# Altium PCB 驰风队20200806.PcbDoc (part 3 of 3)
Units mil, origin at the board's own origin, x right, y up, seen from the top; angles counter-clockwise.
Board outline 3947.04 x 2372.23 mil, 2 copper layers (Top Layer, Bottom Layer); 111 components, 82 nets, 374 pads, 168 vias.
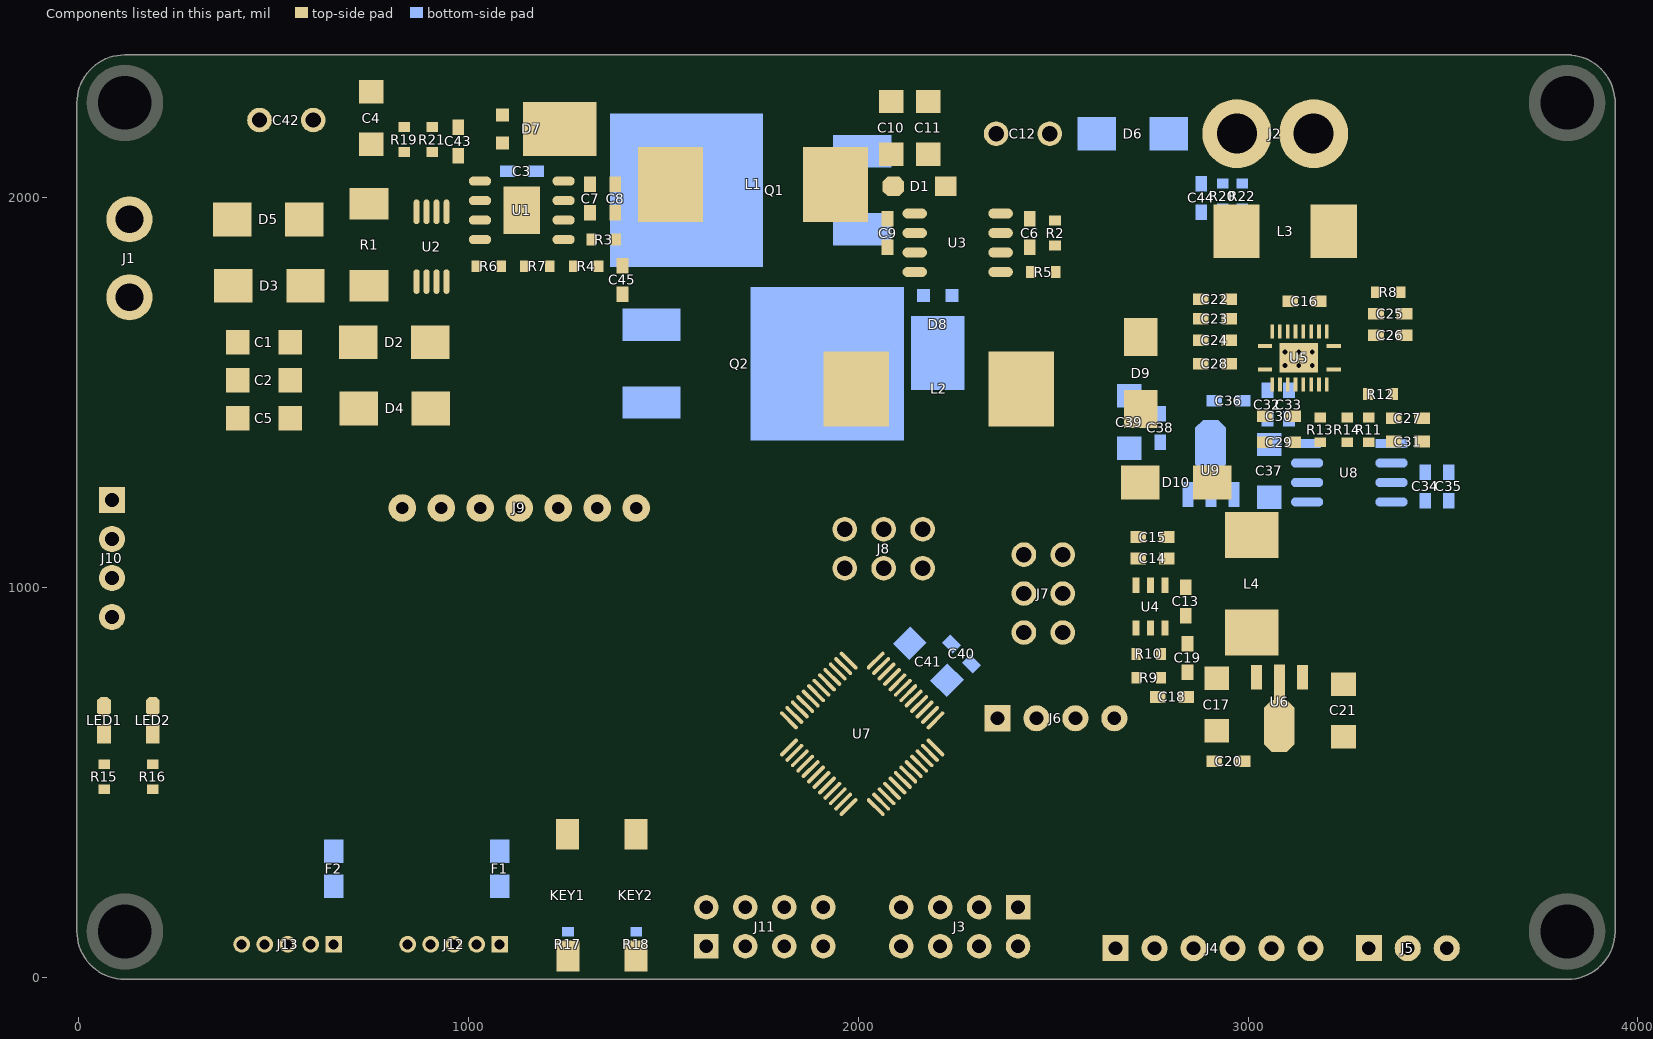
[diagram p3: the components of this part, seen from the top]

## Via types
v1: diameter 20, hole 12, Top Layer to Bottom Layer, 162 vias
v2: diameter 19.68, hole 7.87, Top Layer to Bottom Layer, 6 vias

## Nets (pads, with @x,y where several pads share a name; then routed paths per layer and width w, separated by ;. In a path a pad name is that pad's centre, name@x,y a point inside that pad or via, vN(x,y) a via of type N, cw(c..) or ccw(c..) an arc to the next point about the centre after c; other vN are vias at no path point) (continued)
copper on no net: (continued)
  Top Layer w1.5: 3704.5,2082 3712,2082 ; 3706,1780.5 3712,1780.5 ; 3706,1809 3716.5,1809 ; 3706,2029.5 3712,2029.5 ; 3706,2083.5 3712,2083.5 ; 3706,2085 3710.5,2085 ; 3706,2092.5 3712,2092.5 ; 3707.5,1707 3715,1707 ; 3707.5,1725 3713.5,1725 ; 3707.5,1750.5 3722.5,1750.5 ; 3707.5,1782 3713.5,1782 ; 3707.5,2026.5 3715,2026.5 ; 3707.5,2028 3713.5,2028 ; 3707.5,2094 3713.5,2094 ; 3707.5,2095.5 3730,2095.5 ; 3707.5,2100 3713.5,2100 ; 3709,1693.5 3746.5,1693.5 ; 3709,1708.5 3715,1708.5 ; 3709,1722 3715,1722 ; 3709,1723.5 3715,1723.5 ; 3709,1764 3728.5,1764 ; 3709,1783.5 3715,1783.5 ; 3709,1999.5 3719.5,1999.5 ; 3709,2025 3716.5,2025 ; 3709,2046 3730,2046 ; 3709,2088 3724,2088 ; 3709,2101.5 3715,2101.5 ; 3709,2103 3727,2103 ; 3710.5,1710 3716.5,1710 ; 3710.5,1711.5 3716.5,1711.5 ; 3710.5,1717.5 3716.5,1717.5 ; 3710.5,1719 3716.5,1719 ; 3710.5,1720.5 3716.5,1720.5 ; 3710.5,1785 3716.5,1785 ; 3710.5,1810.5 3719.5,1810.5 ; 3710.5,2023.5 3718,2023.5 ; 3710.5,2058 3725.5,2058 ; 3710.5,2073 3721,2073 ; 3710.5,2115 3748,2115 ; 3712,1713 3716.5,1713 ; 3712,1714.5 3716.5,1714.5 ; 3712,1716 3716.5,1716 ; 3712,1762.5 3727,1762.5 ; 3712,1786.5 3718,1786.5 ; 3712,1788 3719.5,1788 ; 3712,1998 3721,1998 ; 3712,2022 3718,2022 ; 3713.5,1752 3727,1752 ; 3713.5,1789.5 3721,1789.5 ; 3713.5,1812 3722.5,1812 ; 3713.5,1912.5 3733,1912.5 ; 3713.5,2020.5 3719.5,2020.5 ; 3713.5,2047.5 3728.5,2047.5 ; 3713.5,2071.5 3724,2071.5 ; 3715,1791 3722.5,1791 ; 3715,1996.5 3724,1996.5 ; 3715,2019 3721,2019 ; 3716.5,1695 3751,1695 ; 3716.5,1731 3724,1731 ; 3716.5,1732.5 3728.5,1732.5 ; 3716.5,1761 3728.5,1761 ; 3716.5,1792.5 3722.5,1792.5 ; 3716.5,1813.5 3725.5,1813.5 ; 3716.5,2016 3724,2016 ; 3716.5,2017.5 3722.5,2017.5 ; 3716.5,2049 3728.5,2049 ; 3716.5,2056.5 3728.5,2056.5 ; 3716.5,2070 3725.5,2070 ; 3716.5,2077.5 3722.5,2077.5 ; 3716.5,2079 3722.5,2079 ; 3716.5,2080.5 3724,2080.5 ; 3716.5,2082 3724,2082 ; 3716.5,2086.5 3724,2086.5 ; 3718,1726.5 3724,1726.5 ; 3718,1728 3724,1728 ; 3718,1729.5 3722.5,1729.5 ; 3718,1734 3733,1734 ; 3718,1753.5 3730,1753.5 ; 3718,1794 3724,1794 ; 3718,1995 3727,1995 ; 3718,2014.5 3724,2014.5 ; 3718,2068.5 3724,2068.5 ; 3718,2083.5 3724,2083.5 ; 3718,2085 3724,2085 ; 3718,2113.5 3751,2113.5 ; 3719.5,1722 3734.5,1722 ; 3719.5,1723.5 3737.5,1723.5 ; 3719.5,1725 3724,1725 ; 3719.5,1759.5 3731.5,1759.5 ; 3719.5,1795.5 3725.5,1795.5 ; 3719.5,1797 3727,1797 ; 3719.5,1815 3728.5,1815 ; 3719.5,2013 3725.5,2013 ; 3721,1717.5 3727,1717.5 ; 3721,1719 3727,1719 ; 3721,1720.5 3730,1720.5 ; 3721,1798.5 3727,1798.5 ; 3721,1993.5 3728.5,1993.5 ; 3721,2011.5 3727,2011.5 ; 3721,2050.5 3731.5,2050.5 ; 3721,2055 3733,2055 ; 3721,2067 3722.5,2067 ; 3721,2094 3730,2094 ; 3722.5,1696.5 3754,1696.5 ; 3722.5,1713 3728.5,1713 ; 3722.5,1714.5 3728.5,1714.5 ; 3722.5,1716 3727,1716 ; 3722.5,1735.5 3736,1735.5 ; 3722.5,1755 3734.5,1755 ; 3722.5,1765.5 3730,1765.5 ; 3722.5,1800 3728.5,1800 ; 3722.5,1816.5 3730,1816.5 ; 3722.5,2008.5 3728.5,2008.5 ; 3722.5,2010 3728.5,2010 ; 3724,1707 3730,1707 ; 3724,1708.5 3730,1708.5 ; 3724,1710 3730,1710 ; 3724,1711.5 3728.5,1711.5 ; 3724,1758 3740.5,1758 ; 3724,1767 3731.5,1767 ; 3724,1801.5 3730,1801.5 ; 3724,1818 3731.5,1818 ; 3724,1911 3742,1911 ; 3724,1992 3731.5,1992 ; 3724,2007 3730,2007 ; 3724,2044.5 3731.5,2044.5 ; 3724,2052 3739,2052 ; 3724,2053.5 3736,2053.5 ; 3724,2112 3755.5,2112 ; 3725.5,1756.5 3737.5,1756.5 ; 3725.5,1768.5 3733,1768.5 ; 3725.5,1803 3731.5,1803 ; 3725.5,1804.5 3731.5,1804.5 ; 3725.5,1990.5 3733,1990.5 ; 3725.5,2004 3733,2004 ; 3725.5,2005.5 3731.5,2005.5 ; 3725.5,2101.5 3728.5,2101.5 ; 3727,1770 3734.5,1770 ; 3727,1806 3733,1806 ; 3727,1819.5 3734.5,1819.5 ; 3727,1966.5 3746.5,1966.5 ; 3727,2002.5 3733,2002.5 ; 3727,2043 3734.5,2043 ; 3728.5,1698 3758.5,1698 ; 3728.5,1737 3736,1737 ; 3728.5,1771.5 3736,1771.5 ; 3728.5,1807.5 3734.5,1807.5 ; 3728.5,1809 3734.5,1809 ; 3728.5,1821 3743.5,1821 ; 3728.5,1989 3742,1989 ; 3728.5,2001 3734.5,2001 ; 3728.5,2041.5 3736,2041.5 ; 3728.5,2110.5 3758.5,2110.5 ; 3730,1725 3737.5,1725 ; 3730,1773 3737.5,1773 ; 3730,1810.5 3736,1810.5 ; 3730,1987.5 3742,1987.5 ; 3730,1998 3736,1998 ; 3730,1999.5 3736,1999.5 ; 3730,2040 3737.5,2040 ; 3731.5,1774.5 3739,1774.5 ; 3731.5,1812 3737.5,1812 ; 3731.5,1822.5 3743.5,1822.5 ; 3731.5,1986 3743.5,1986 ; 3731.5,1996.5 3737.5,1996.5 ; 3731.5,2038.5 3739,2038.5 ; 3733,1699.5 3761.5,1699.5 ; 3733,1738.5 3734.5,1738.5 ; 3733,1776 3740.5,1776 ; 3733,1813.5 3737.5,1813.5 ; 3733,1815 3739,1815 ; 3733,1824 3745,1824 ; 3733,1909.5 3751,1909.5 ; 3733,1993.5 3739,1993.5 ; 3733,1995 3737.5,1995 ; 3733,2037 3740.5,2037 ; 3733,2050.5 3742,2050.5 ; 3734.5,1726.5 3737.5,1726.5 ; 3734.5,1759.5 3743.5,1759.5 ; 3734.5,1777.5 3742,1777.5 ; 3734.5,1816.5 3740.5,1816.5 ; 3734.5,1825.5 3745,1825.5 ; 3734.5,1984.5 3743.5,1984.5 ; 3734.5,1990.5 3740.5,1990.5 ; 3734.5,1992 3740.5,1992 ; 3734.5,2035.5 3742,2035.5 ; 3734.5,2109 3761.5,2109 ; 3736,1779 3743.5,1779 ; 3736,1818 3740.5,1818 ; 3736,1819.5 3742,1819.5 ; 3736,1827 3746.5,1827 ; 3736,1983 3745,1983 ; 3736,2034 3743.5,2034 ; 3736,2049 3745,2049 ; 3737.5,1701 3764.5,1701 ; 3737.5,1761 3746.5,1761 ; 3737.5,1780.5 3743.5,1780.5 ; 3737.5,1828.5 3746.5,1828.5 ; 3737.5,1981.5 3746.5,1981.5 ; 3737.5,2032.5 3745,2032.5 ; 3737.5,2065.5 3740.5,2065.5 ; 3739,1782 3745,1782 ; 3739,1980 3746.5,1980 ; 3739,2031 3746.5,2031 ; 3739,2047.5 3748,2047.5 ; 3739,2061 3757,2061 ; 3739,2062.5 3761.5,2062.5 ; 3739,2064 3769,2064 ; 3739,2107.5 3766,2107.5 ; 3740.5,1762.5 3749.5,1762.5 ; 3740.5,1783.5 3746.5,1783.5 ; 3740.5,1830 3748,1830 ; 3740.5,1965 3749.5,1965 ; 3740.5,1978.5 3748,1978.5 ; 3740.5,2029.5 3748,2029.5 ; 3740.5,2059.5 3749.5,2059.5 ; 3742,1702.5 3767.5,1702.5 ; 3742,1785 3748,1785 ; 3742,1786.5 3749.5,1786.5 ; 3742,1831.5 3748,1831.5 ; 3742,1908 3760,1908 ; 3742,1977 3748,1977 ; 3742,2028 3748,2028 ; 3742,2046 3751,2046 ; 3743.5,1764 3752.5,1764 ; 3743.5,1788 3751,1788 ; 3743.5,1833 3749.5,1833 ; 3743.5,1975.5 3749.5,1975.5 ; 3743.5,2026.5 3749.5,2026.5 ; 3743.5,2106 3769,2106 ; 3745,1789.5 3752.5,1789.5 ; 3745,1834.5 3751,1834.5 ; 3745,1836 3752.5,1836 ; 3745,1974 3751,1974 ; 3745,2025 3751,2025 ; 3745,2044.5 3754,2044.5 ; 3746.5,1704 3770.5,1704 ; 3746.5,1765.5 3754,1765.5 ; 3746.5,1791 3752.5,1791 ; 3746.5,1837.5 3752.5,1837.5 ; 3746.5,1972.5 3752.5,1972.5 ; 3746.5,2023.5 3752.5,2023.5 ; 3746.5,2104.5 3772,2104.5 ; 3748,1735.5 3754,1735.5 ; 3748,1737 3754,1737 ; 3748,1738.5 3752.5,1738.5 ; 3748,1740 3752.5,1740 ; 3748,1741.5 3752.5,1741.5 ; 3748,1743 3754,1743 ; 3748,1767 3757,1767 ; 3748,1792.5 3754,1792.5 ; 3748,1839 3767.5,1839 ; 3748,1971 3754,1971 ; 3748,2020.5 3755.5,2020.5 ; 3748,2022 3754,2022 ; 3748,2043 3755.5,2043 ; 3748,2083.5 3755.5,2083.5 ; 3748,2085 3754,2085 ; 3749.5,1705.5 3773.5,1705.5 ; 3749.5,1732.5 3755.5,1732.5 ; 3749.5,1734 3755.5,1734 ; 3749.5,1744.5 3754,1744.5 ; 3749.5,1746 3755.5,1746 ; 3749.5,1794 3755.5,1794 ; 3749.5,1795.5 3757,1795.5 ; 3749.5,1840.5 3764.5,1840.5 ; 3749.5,1963.5 3751,1963.5 ; 3749.5,1969.5 3766,1969.5 ; 3749.5,2019 3757,2019 ; 3749.5,2041.5 3758.5,2041.5 ; 3749.5,2065.5 3770.5,2065.5 ; 3749.5,2082 3758.5,2082 ; 3749.5,2086.5 3751,2086.5 ; 3751,1729.5 3758.5,1729.5 ; 3751,1731 3757,1731 ; 3751,1747.5 3757,1747.5 ; 3751,1768.5 3758.5,1768.5 ; 3751,1797 3758.5,1797 ; 3751,1842 3760,1842 ; 3751,1843.5 3757,1843.5 ; 3751,1966.5 3758.5,1966.5 ; 3751,1968 3761.5,1968 ; 3751,2017.5 3757,2017.5 ; 3751,2103 3775,2103 ; 3752.5,1728 3763,1728 ; 3752.5,1749 3769,1749 ; 3752.5,1798.5 3758.5,1798.5 ; 3752.5,1845 3758.5,1845 ; 3752.5,1906.5 3769,1906.5 ; 3752.5,1965 3758.5,1965 ; 3752.5,2016 3758.5,2016 ; 3752.5,2040 3760,2040 ; 3752.5,2080.5 3761.5,2080.5 ; 3754,1707 3776.5,1707 ; 3754,1726.5 3772,1726.5 ; 3754,1750.5 3769,1750.5 ; 3754,1770 3761.5,1770 ; 3754,1800 3760,1800 ; 3754,1846.5 3760,1846.5 ; 3754,1962 3760,1962 ; 3754,1963.5 3758.5,1963.5 ; 3754,2013 3761.5,2013 ; 3754,2014.5 3760,2014.5 ; 3754,2101.5 3776.5,2101.5 ; 3755.5,1771.5 3763,1771.5 ; 3755.5,1801.5 3761.5,1801.5 ; 3755.5,1803 3761.5,1803 ; 3755.5,1848 3760,1848 ; 3755.5,1849.5 3761.5,1849.5 ; 3755.5,1960.5 3761.5,1960.5 ; 3755.5,2011.5 3761.5,2011.5 ; 3755.5,2038.5 3763,2038.5 ; 3755.5,2067 3770.5,2067 ; 3755.5,2079 3764.5,2079 ; 3757,1708.5 3779.5,1708.5 ; 3757,1725 3769,1725 ; 3757,1752 3767.5,1752 ; 3757,1804.5 3763,1804.5 ; 3757,1851 3763,1851 ; 3757,1957.5 3763,1957.5 ; 3757,1959 3761.5,1959 ; 3757,1971 3769,1971 ; 3757,2010 3763,2010 ; 3757,2037 3764.5,2037 ; 3757,2100 3779.5,2100 ; 3758.5,1773 3766,1773 ; 3758.5,1806 3764.5,1806 ; 3758.5,1807.5 3766,1807.5 ; 3758.5,1837.5 3772,1837.5 ; 3758.5,1852.5 3763,1852.5 ; 3758.5,1854 3764.5,1854 ; 3758.5,1956 3763,1956 ; 3758.5,2008.5 3764.5,2008.5 ; 3758.5,2068.5 3770.5,2068.5 ; 3758.5,2077.5 3775,2077.5 ; 3760,1710 3782.5,1710 ; 3760,1723.5 3764.5,1723.5 ; 3760,1774.5 3767.5,1774.5 ; 3760,1809 3766,1809 ; 3760,1855.5 3764.5,1855.5 ; 3760,1857 3766,1857 ; 3760,1953 3766,1953 ; 3760,1954.5 3764.5,1954.5 ; 3760,1972.5 3773.5,1972.5 ; 3760,2005.5 3766,2005.5 ; 3760,2007 3766,2007 ; 3760,2035.5 3766,2035.5 ; 3760,2070 3770.5,2070 ; 3760,2076 3773.5,2076 ; 3761.5,1810.5 3767.5,1810.5 ; 3761.5,1858.5 3766,1858.5 ; 3761.5,1860 3767.5,1860 ; 3761.5,1950 3767.5,1950 ; 3761.5,1951.5 3766,1951.5 ; 3761.5,2004 3767.5,2004 ; 3761.5,2034 3769,2034 ; 3761.5,2071.5 3779.5,2071.5 ; 3761.5,2098.5 3782.5,2098.5 ; 3763,1711.5 3784,1711.5 ; 3763,1738.5 3776.5,1738.5 ; 3763,1776 3769,1776 ; 3763,1812 3769,1812 ; 3763,1813.5 3769,1813.5 ; 3763,1836 3782.5,1836 ; 3763,1861.5 3767.5,1861.5 ; 3763,1863 3769,1863 ; 3763,1905 3832,1905 ; 3763,1947 3767.5,1947 ; 3763,1948.5 3767.5,1948.5 ; 3763,2001 3769,2001 ; 3763,2002.5 3769,2002.5 ; 3763,2032.5 3770.5,2032.5 ; 3763,2073 3776.5,2073 ; 3763,2074.5 3773.5,2074.5 ; 3764.5,1737 3767.5,1737 ; 3764.5,1740 3776.5,1740 ; 3764.5,1747.5 3766,1747.5 ; 3764.5,1777.5 3772,1777.5 ; 3764.5,1815 3770.5,1815 ; 3764.5,1864.5 3769,1864.5 ; 3764.5,1866 3769,1866 ; 3764.5,1903.5 3832,1903.5 ; 3764.5,1942.5 3770.5,1942.5 ; 3764.5,1944 3769,1944 ; 3764.5,1945.5 3769,1945.5 ; 3764.5,1974 3776.5,1974 ; 3764.5,1999.5 3770.5,1999.5 ; 3764.5,2055 3772,2055 ; 3764.5,2056.5 3772,2056.5 ; 3764.5,2058 3770.5,2058 ; 3764.5,2059.5 3770.5,2059.5 ; 3764.5,2061 3770.5,2061 ; 3764.5,2062.5 3769,2062.5 ; 3764.5,2097 3785.5,2097 ; 3766,1713 3787,1713 ; 3766,1728 3773.5,1728 ; 3766,1779 3773.5,1779 ; 3766,1816.5 3770.5,1816.5 ; 3766,1818 3772,1818 ; 3766,1867.5 3770.5,1867.5 ; 3766,1869 3770.5,1869 ; 3766,1870.5 3770.5,1870.5 ; 3766,1939.5 3770.5,1939.5 ; 3766,1941 3770.5,1941 ; 3766,1996.5 3772,1996.5 ; 3766,1998 3772,1998 ; 3766,2031 3772,2031 ; 3766,2052 3773.5,2052 ; 3766,2053.5 3773.5,2053.5 ; 3767.5,1741.5 3775,1741.5 ; 3767.5,1780.5 3775,1780.5 ; 3767.5,1819.5 3773.5,1819.5 ; 3767.5,1821 3773.5,1821 ; 3767.5,1834.5 3781,1834.5 ; 3767.5,1872 3772,1872 ; 3767.5,1873.5 3772,1873.5 ; 3767.5,1875 3772,1875 ; 3767.5,1935 3772,1935 ; 3767.5,1936.5 3772,1936.5 ; 3767.5,1938 3772,1938 ; 3767.5,1995 3773.5,1995 ; 3767.5,2029.5 3775,2029.5 ; 3767.5,2049 3776.5,2049 ; 3767.5,2050.5 3775,2050.5 ; 3767.5,2079 3775,2079 ; 3767.5,2080.5 3776.5,2080.5 ; 3767.5,2095.5 3787,2095.5 ; 3769,1714.5 3790,1714.5 ; 3769,1729.5 3775,1729.5 ; 3769,1743 3775,1743 ; 3769,1758 3776.5,1758 ; 3769,1759.5 3776.5,1759.5 ; 3769,1822.5 3775,1822.5 ; 3769,1876.5 3773.5,1876.5 ; 3769,1878 3773.5,1878 ; 3769,1879.5 3773.5,1879.5 ; 3769,1881 3773.5,1881 ; 3769,1929 3773.5,1929 ; 3769,1930.5 3773.5,1930.5 ; 3769,1932 3773.5,1932 ; 3769,1933.5 3773.5,1933.5 ; 3769,1975.5 3784,1975.5 ; 3769,1992 3775,1992 ; 3769,1993.5 3775,1993.5 ; 3769,2028 3776.5,2028 ; 3769,2047.5 3778,2047.5 ; 3769,2082 3776.5,2082 ; 3769,2083.5 3778,2083.5 ; 3770.5,1731 3776.5,1731 ; 3770.5,1756.5 3778,1756.5 ; 3770.5,1761 3778,1761 ; 3770.5,1782 3776.5,1782 ; 3770.5,1824 3775,1824 ; 3770.5,1825.5 3776.5,1825.5 ; 3770.5,1833 3782.5,1833 ; 3770.5,1882.5 3775,1882.5 ; 3770.5,1884 3775,1884 ; 3770.5,1885.5 3775,1885.5 ; 3770.5,1887 3775,1887 ; 3770.5,1888.5 3775,1888.5 ; 3770.5,1921.5 3775,1921.5 ; 3770.5,1923 3775,1923 ; 3770.5,1924.5 3775,1924.5 ; 3770.5,1926 3775,1926 ; 3770.5,1927.5 3775,1927.5 ; 3770.5,1989 3776.5,1989 ; 3770.5,1990.5 3776.5,1990.5 ; 3770.5,2026.5 3778,2026.5 ; 3770.5,2044.5 3778,2044.5 ; 3770.5,2046 3779.5,2046 ; 3770.5,2085 3778,2085 ; 3770.5,2086.5 3775,2086.5 ; 3770.5,2094 3790,2094 ; 3772,1716 3791.5,1716 ; 3772,1732.5 3778,1732.5 ; 3772,1734 3778,1734 ; 3772,1735.5 3778,1735.5 ; 3772,1737 3778,1737 ; 3772,1744.5 3773.5,1744.5 ; 3772,1755 3778,1755 ; 3772,1783.5 3778,1783.5 ; 3772,1827 3778,1827 ; 3772,1828.5 3778,1828.5 ; 3772,1890 3776.5,1890 ; 3772,1891.5 3776.5,1891.5 ; 3772,1893 3776.5,1893 ; 3772,1894.5 3776.5,1894.5 ; 3772,1896 3776.5,1896 ; 3772,1897.5 3776.5,1897.5 ; 3772,1899 3776.5,1899 ; 3772,1900.5 3776.5,1900.5 ; 3772,1906.5 3776.5,1906.5 ; 3772,1908 3776.5,1908 ; 3772,1909.5 3776.5,1909.5 ; 3772,1911 3776.5,1911 ; 3772,1912.5 3776.5,1912.5 ; 3772,1914 3776.5,1914 ; 3772,1915.5 3776.5,1915.5 ; 3772,1917 3776.5,1917 ; 3772,1918.5 3776.5,1918.5 ; 3772,1920 3775,1920 ; 3772,1977 3784,1977 ; 3772,1987.5 3778,1987.5 ; 3772,2043 3775,2043 ; 3772,2070 3781,2070 ; 3772,2092.5 3793,2092.5 ; 3773.5,1752 3785.5,1752 ; 3773.5,1753.5 3787,1753.5 ; 3773.5,1762.5 3779.5,1762.5 ; 3773.5,1785 3779.5,1785 ; 3773.5,1830 3790,1830 ; 3773.5,1831.5 3787,1831.5 ; 3773.5,1984.5 3779.5,1984.5 ; 3773.5,1986 3778,1986 ; 3773.5,2025 3779.5,2025 ; 3775,1717.5 3794.5,1717.5 ; 3775,1750.5 3784,1750.5 ; 3775,1764 3782.5,1764 ; 3775,1786.5 3781,1786.5 ; 3775,1981.5 3781,1981.5 ; 3775,1983 3779.5,1983 ; 3775,2023.5 3781,2023.5 ; 3775,2068.5 3784,2068.5 ; 3775,2091 3794.5,2091 ; 3776.5,1749 3782.5,1749 ; 3776.5,1765.5 3784,1765.5 ; 3776.5,1788 3782.5,1788 ; 3776.5,1837.5 3782.5,1837.5 ; 3776.5,1978.5 3787,1978.5 ; 3776.5,1980 3791.5,1980 ; 3776.5,2022 3782.5,2022 ; 3778,1719 3796,1719 ; 3778,1747.5 3784,1747.5 ; 3778,1767 3785.5,1767 ; 3778,1789.5 3784,1789.5 ; 3778,1839 3784,1839 ; 3778,1840.5 3784,1840.5 ; 3778,2020.5 3784,2020.5 ; 3778,2067 3787,2067 ; 3778,2089.5 3797.5,2089.5 ; 3779.5,1720.5 3799,1720.5 ; 3779.5,1744.5 3787,1744.5 ; 3779.5,1746 3785.5,1746 ; 3779.5,1791 3785.5,1791 ; 3779.5,1842 3785.5,1842 ; 3779.5,1843.5 3785.5,1843.5 ; 3779.5,1972.5 3785.5,1972.5 ; 3779.5,1974 3784,1974 ; 3779.5,2019 3785.5,2019 ; 3781,1743 3796,1743 ; 3781,1768.5 3787,1768.5 ; 3781,1792.5 3787,1792.5 ; 3781,1828.5 3793,1828.5 ; 3781,1845 3785.5,1845 ; 3781,1846.5 3787,1846.5 ; 3781,1969.5 3787,1969.5 ; 3781,1971 3785.5,1971 ; 3781,2017.5 3787,2017.5 ; 3781,2065.5 3788.5,2065.5 ; 3781,2088 3799,2088 ; 3782.5,1722 3800.5,1722 ; 3782.5,1741.5 3793,1741.5 ; 3782.5,1755 3790,1755 ; 3782.5,1770 3787,1770 ; 3782.5,1794 3788.5,1794 ; 3782.5,1848 3787,1848 ; 3782.5,1849.5 3788.5,1849.5 ; 3782.5,1965 3788.5,1965 ; 3782.5,1966.5 3788.5,1966.5 ; 3782.5,1968 3787,1968 ; 3782.5,2016 3788.5,2016 ; 3782.5,2086.5 3800.5,2086.5 ; 3784,1740 3791.5,1740 ; 3784,1756.5 3791.5,1756.5 ; 3784,1771.5 3785.5,1771.5 ; 3784,1795.5 3790,1795.5 ; 3784,1851 3788.5,1851 ; 3784,1852.5 3788.5,1852.5 ; 3784,1854 3790,1854 ; 3784,1962 3790,1962 ; 3784,1963.5 3788.5,1963.5 ; 3784,1981.5 3794.5,1981.5 ; 3784,2014.5 3790,2014.5 ; 3784,2064 3788.5,2064 ; 3785.5,1723.5 3803.5,1723.5 ; 3785.5,1737 3788.5,1737 ; 3785.5,1738.5 3790,1738.5 ; 3785.5,1758 3793,1758 ; 3785.5,1797 3791.5,1797 ; 3785.5,1827 3796,1827 ; 3785.5,1855.5 3790,1855.5 ; 3785.5,1857 3791.5,1857 ; 3785.5,1858.5 3791.5,1858.5 ; 3785.5,1957.5 3791.5,1957.5 ; 3785.5,1959 3790,1959 ; 3785.5,1960.5 3790,1960.5 ; 3785.5,2013 3791.5,2013 ; 3785.5,2062.5 3787,2062.5 ; 3785.5,2085 3803.5,2085 ; 3787,1725 3805,1725 ; 3787,1798.5 3793,1798.5 ; 3787,1860 3791.5,1860 ; 3787,1861.5 3791.5,1861.5 ; 3787,1863 3793,1863 ; 3787,1953 3793,1953 ; 3787,1954.5 3791.5,1954.5 ; 3787,1956 3791.5,1956 ; 3787,1983 3797.5,1983 ; 3787,2011.5 3793,2011.5 ; 3787,2083.5 3805,2083.5 ; 3788.5,1759.5 3794.5,1759.5 ; 3788.5,1800 3794.5,1800 ; 3788.5,1825.5 3799,1825.5 ; 3788.5,1864.5 3793,1864.5 ; 3788.5,1866 3793,1866 ; 3788.5,1867.5 3794.5,1867.5 ; 3788.5,1948.5 3794.5,1948.5 ; 3788.5,1950 3793,1950 ; 3788.5,1951.5 3793,1951.5 ; 3788.5,2010 3794.5,2010 ; 3790,1726.5 3806.5,1726.5 ; 3790,1744.5 3797.5,1744.5 ; 3790,1761 3793,1761 ; 3790,1801.5 3796,1801.5 ; 3790,1869 3794.5,1869 ; 3790,1870.5 3794.5,1870.5 ; 3790,1872 3794.5,1872 ; 3790,1873.5 3796,1873.5 ; 3790,1942.5 3796,1942.5 ; 3790,1944 3794.5,1944 ; 3790,1945.5 3794.5,1945.5 ; 3790,1947 3794.5,1947 ; 3790,1984.5 3800.5,1984.5 ; 3790,2007 3796,2007 ; 3790,2008.5 3794.5,2008.5 ; 3790,2082 3806.5,2082 ; 3791.5,1728 3808,1728 ; 3791.5,1746 3799,1746 ; 3791.5,1771.5 3797.5,1771.5 ; 3791.5,1773 3797.5,1773 ; 3791.5,1774.5 3796,1774.5 ; 3791.5,1776 3796,1776 ; 3791.5,1777.5 3797.5,1777.5 ; 3791.5,1803 3797.5,1803 ; 3791.5,1824 3802,1824 ; 3791.5,1875 3796,1875 ; 3791.5,1876.5 3796,1876.5 ; 3791.5,1878 3796,1878 ; 3791.5,1879.5 3796,1879.5 ; 3791.5,1881 3797.5,1881 ; 3791.5,1935 3797.5,1935 ; 3791.5,1936.5 3796,1936.5 ; 3791.5,1938 3796,1938 ; 3791.5,1939.5 3796,1939.5 ; 3791.5,1941 3796,1941 ; 3791.5,2005.5 3797.5,2005.5 ; 3791.5,2080.5 3809.5,2080.5 ; 3793,1768.5 3799,1768.5 ; 3793,1770 3799,1770 ; 3793,1779 3797.5,1779 ; 3793,1780.5 3799,1780.5 ; 3793,1804.5 3797.5,1804.5 ; 3793,1806 3799,1806 ; 3793,1882.5 3797.5,1882.5 ; 3793,1884 3797.5,1884 ; 3793,1885.5 3797.5,1885.5 ; 3793,1887 3797.5,1887 ; 3793,1888.5 3797.5,1888.5 ; 3793,1890 3799,1890 ; 3793,1891.5 3799,1891.5 ; 3793,1924.5 3799,1924.5 ; 3793,1926 3799,1926 ; 3793,1927.5 3797.5,1927.5 ; 3793,1929 3797.5,1929 ; 3793,1930.5 3797.5,1930.5 ; 3793,1932 3797.5,1932 ; 3793,1933.5 3797.5,1933.5 ; 3793,1986 3802,1986 ; 3793,2004 3799,2004 ; 3793,2035.5 3799,2035.5 ; 3793,2037 3797.5,2037 ; 3794.5,1729.5 3811,1729.5 ; 3794.5,1747.5 3800.5,1747.5 ; 3794.5,1765.5 3803.5,1765.5 ; 3794.5,1767 3800.5,1767 ; 3794.5,1782 3800.5,1782 ; 3794.5,1807.5 3800.5,1807.5 ; 3794.5,1822.5 3809.5,1822.5 ; 3794.5,1893 3799,1893 ; 3794.5,1894.5 3799,1894.5 ; 3794.5,1896 3799,1896 ; 3794.5,1897.5 3799,1897.5 ; 3794.5,1899 3799,1899 ; 3794.5,1900.5 3799,1900.5 ; 3794.5,1906.5 3799,1906.5 ; 3794.5,1908 3799,1908 ; 3794.5,1909.5 3799,1909.5 ; 3794.5,1911 3799,1911 ; 3794.5,1912.5 3799,1912.5 ; 3794.5,1914 3799,1914 ; 3794.5,1915.5 3799,1915.5 ; 3794.5,1917 3799,1917 ; 3794.5,1918.5 3799,1918.5 ; 3794.5,1920 3799,1920 ; 3794.5,1921.5 3799,1921.5 ; 3794.5,1923 3799,1923 ; 3794.5,2002.5 3799,2002.5 ; 3794.5,2034 3800.5,2034 ; 3794.5,2079 3811,2079 ; 3796,1731 3812.5,1731 ; 3796,1749 3803.5,1749 ; 3796,1764 3806.5,1764 ; 3796,1783.5 3815.5,1783.5 ; 3796,1809 3802,1809 ; 3796,1987.5 3809.5,1987.5 ; 3796,1999.5 3802,1999.5 ; 3796,2001 3800.5,2001 ; 3796,2017.5 3815.5,2017.5 ; 3796,2032.5 3802,2032.5 ; 3796,2077.5 3812.5,2077.5 ; 3797.5,1732.5 3814,1732.5 ; 3797.5,1750.5 3803.5,1750.5 ; 3797.5,1762.5 3817,1762.5 ; 3797.5,1785 3814,1785 ; 3797.5,1810.5 3802,1810.5 ; 3797.5,1812 3803.5,1812 ; 3797.5,1821 3809.5,1821 ; 3797.5,1998 3803.5,1998 ; 3797.5,2016 3817,2016 ; 3797.5,2019 3814,2019 ; 3797.5,2020.5 3800.5,2020.5 ; 3797.5,2031 3803.5,2031 ; 3797.5,2076 3814,2076 ; 3799,1752 3802,1752 ; 3799,1786.5 3812.5,1786.5 ; 3799,1813.5 3805,1813.5 ; 3799,1989 3809.5,1989 ; 3799,1995 3805,1995 ; 3799,1996.5 3803.5,1996.5 ; 3799,2014.5 3808,2014.5 ; 3799,2029.5 3805,2029.5 ; 3800.5,1734 3815.5,1734 ; 3800.5,1761 3815.5,1761 ; 3800.5,1815 3805,1815 ; 3800.5,1819.5 3808,1819.5 ; 3800.5,1993.5 3806.5,1993.5 ; 3800.5,2013 3806.5,2013 ; 3800.5,2028 3806.5,2028 ; 3800.5,2074.5 3815.5,2074.5 ; 3802,1735.5 3818.5,1735.5 ; 3802,1816.5 3806.5,1816.5 ; 3802,1818 3808,1818 ; 3802,1990.5 3808,1990.5 ; 3802,1992 3806.5,1992 ; 3802,2011.5 3805,2011.5 ; 3802,2026.5 3808,2026.5 ; 3802,2044.5 3814,2044.5 ; 3802,2073 3818.5,2073 ; 3803.5,1737 3820,1737 ; 3803.5,1759.5 3812.5,1759.5 ; 3803.5,1788 3808,1788 ; 3803.5,2025 3808,2025 ; 3803.5,2043 3821.5,2043 ; 3803.5,2071.5 3820,2071.5 ; 3805,1738.5 3821.5,1738.5 ; 3805,1986 3811,1986 ; 3805,2023.5 3821.5,2023.5 ; 3805,2035.5 3811,2035.5 ; 3805,2041.5 